# Altium PCB graviton.PcbDoc (part 12 of 15)
Units mm, origin at the board's own origin, x right, y up, seen from the top; angles counter-clockwise.
Board outline 200 x 200 mm, 10 copper layers (TOP, POLYGON1, S1, POLYGON2, POLYGON3, POLYGON4, POLYGON5, S2, POLYGON6, BOT), stack 1.751 mm thick; 1317 components, 712 nets, 5121 pads, 3994 vias.
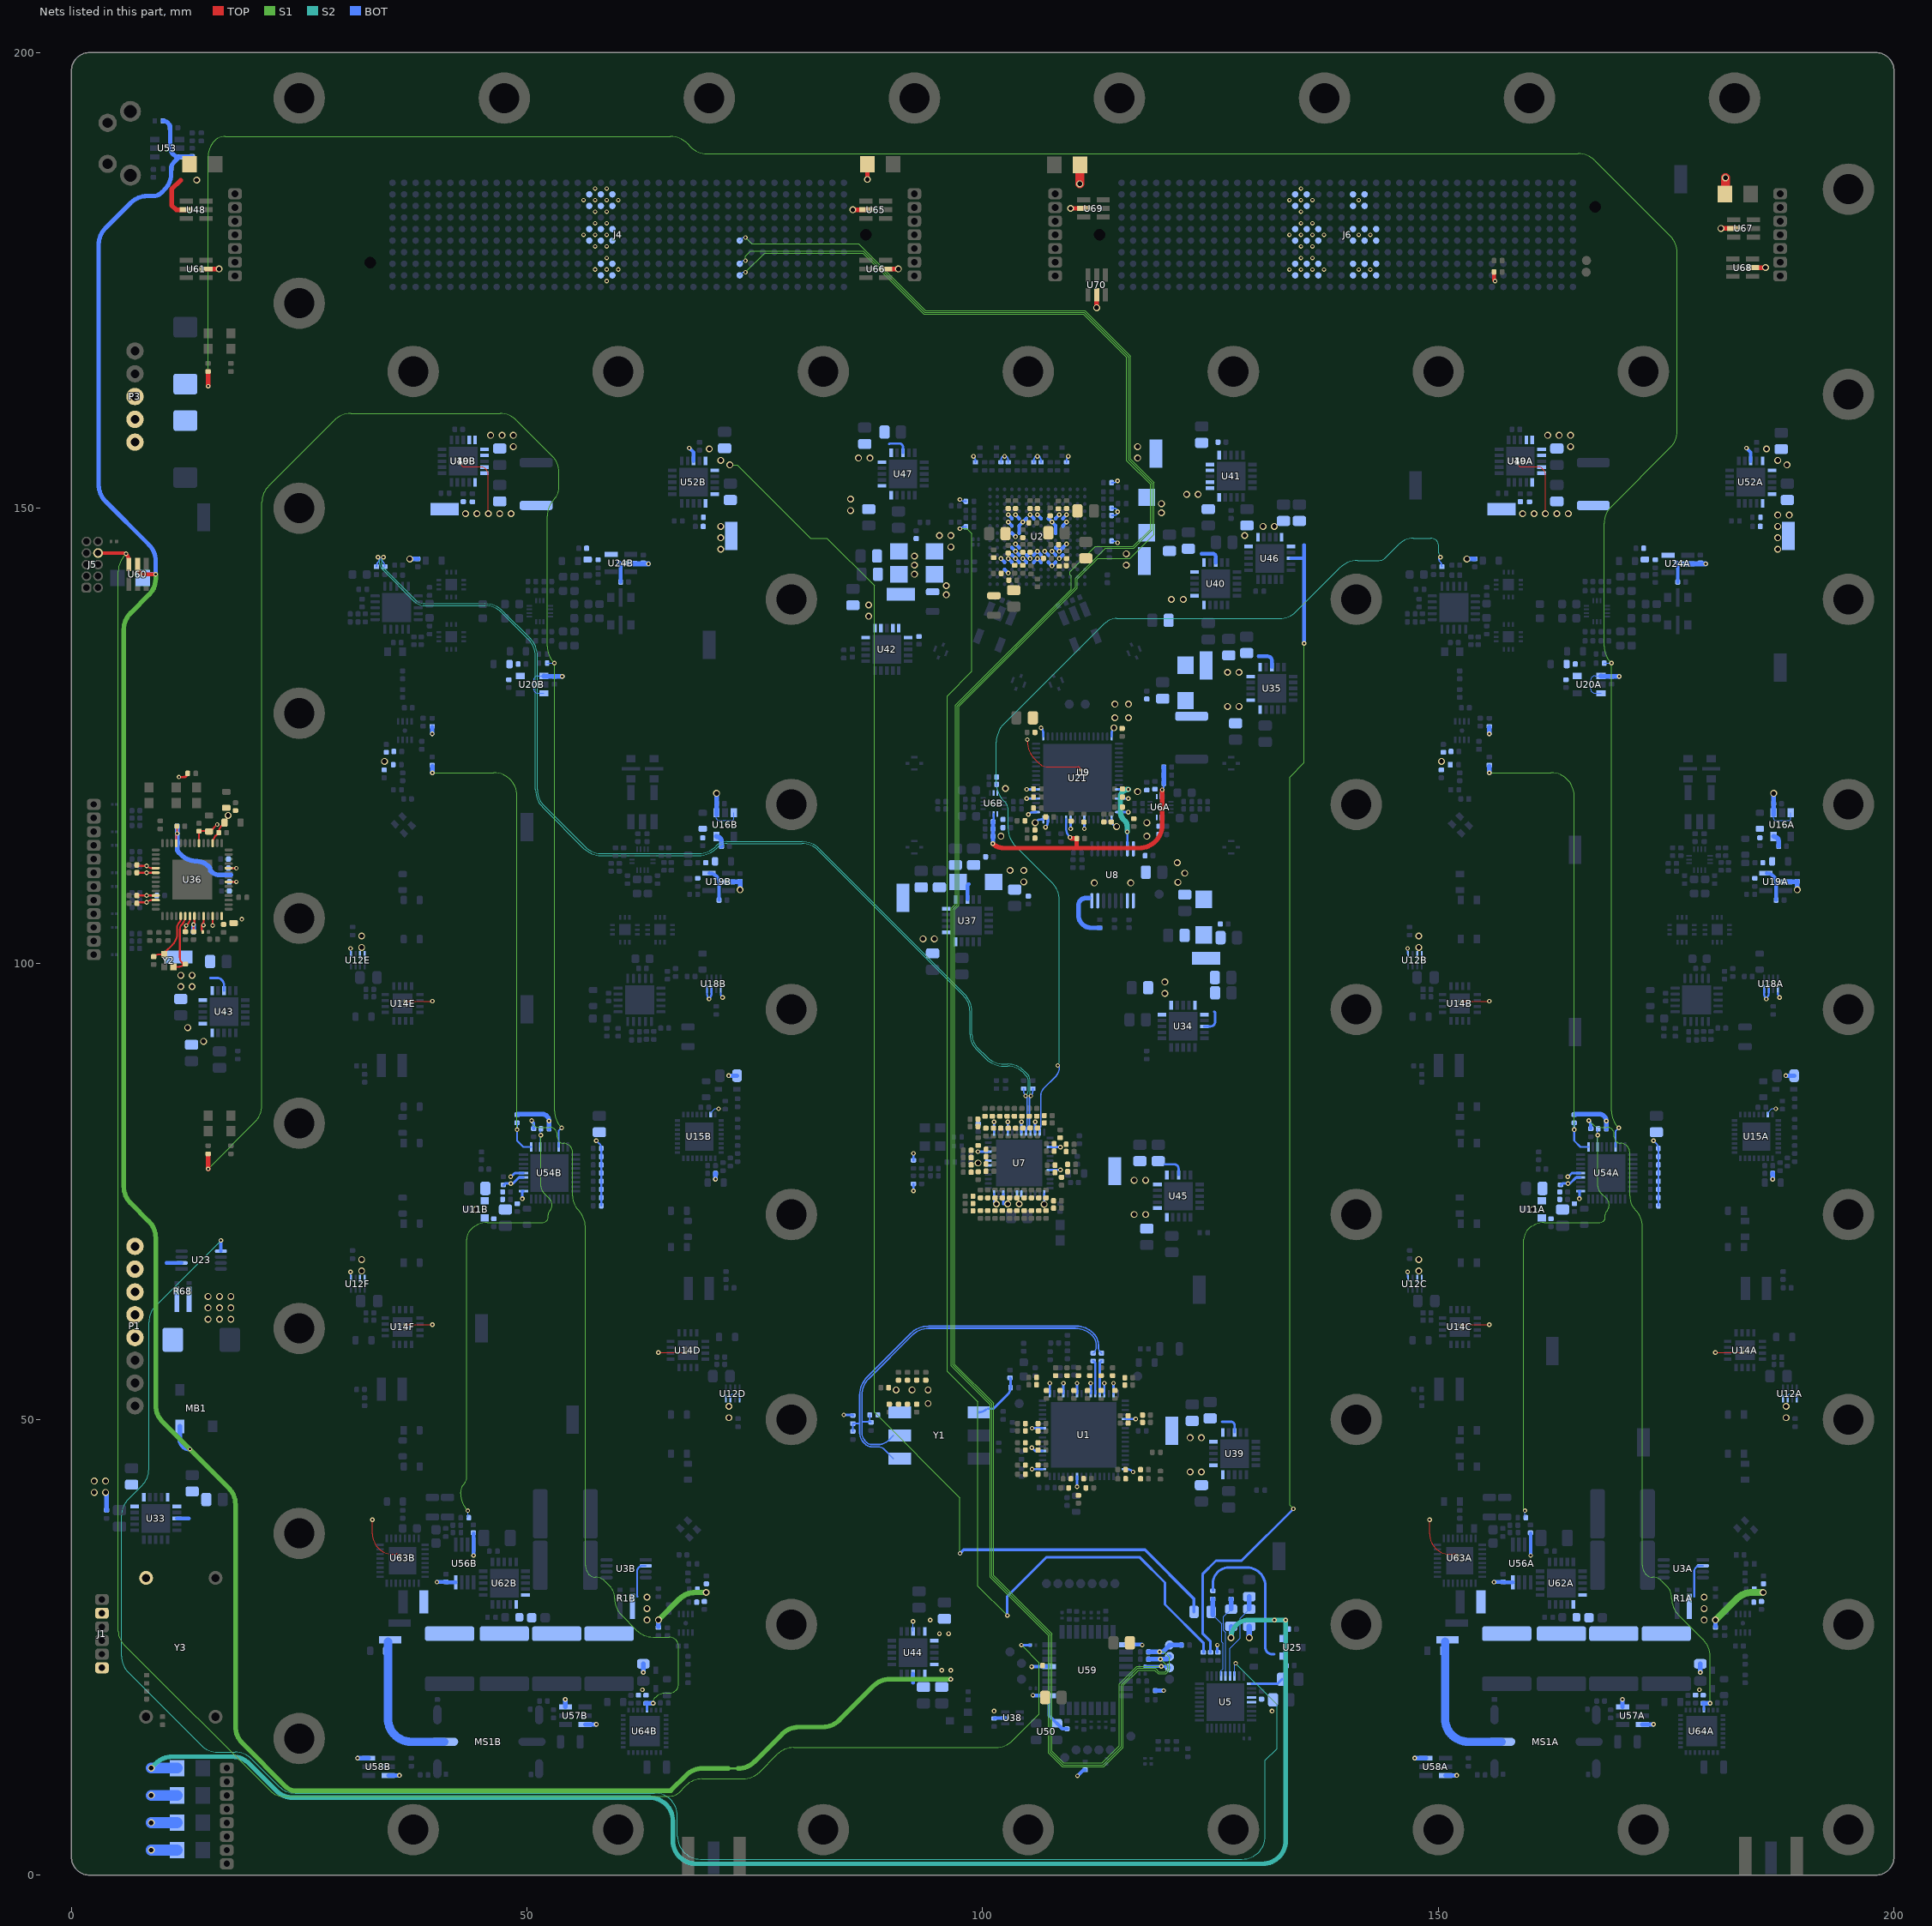
[diagram p20: the nets of this part, all layers, seen from the top]

## Via types
v1: diameter 0.75, hole 0.5, TOP to BOT, tented both sides, 2608 vias
v2: diameter 0.508, hole 0.254, TOP to BOT, tented both sides, 628 vias
v3: diameter 0.483, hole 0.254, TOP to BOT, tented both sides, 455 vias
v4: diameter 0.5, hole 0.3, TOP to BOT, tented both sides, 169 vias
v5: diameter 0.635, hole 0.254, TOP to BOT, tented both sides, 86 vias
v6: diameter 0.5, hole 0.254, TOP to BOT, tented both sides, 48 vias

## Nets (pads, with @x,y where several pads share a name; then routed paths per layer and width w, separated by ;. In a path a pad name is that pad's centre, name@x,y a point inside that pad or via, vN(x,y) a via of type N, cw(c..) or ccw(c..) an arc to the next point about the centre after c; other vN are vias at no path point) (continued)
TX-LO-A.C_2_P: C375A.2 U7.47 | length 107.2
  S2 w0.089: 150.034,145.944 150.034,145.095 ccw(c150.663,145.095) v2@150.218,144.65
  S2 w0.098: v3(108.238,88.85) ccw(c107.805,89.283) 108.417,89.283 108.417,107.03 ccw(c105.877,107.03) 107.674,108.826 103.594,112.906 cw(c105.54,114.853) 102.787,114.853 102.787,116.865 ccw(c101.465,116.865) 102.4,117.8 102.294,117.906 cw(c104.24,119.853) 101.487,119.853 101.487,124.348 cw(c104.24,124.348) 102.294,126.294 113.3,137.3 cw(c114.717,135.883) 114.717,137.888 132.561,137.888 ccw(c132.561,140.428) 134.357,138.632 139.181,143.456 cw(c141.128,141.51) 141.128,144.263 143.475,144.263 ccw(c143.475,145.319) 144.222,144.572 145.725,146.075 cw(c147.265,144.535) 147.265,146.713 149.144,146.713 cw(c149.144,145.813) 150.034,145.944 cw(c149.144,145.813) 150.044,145.813
  BOT w0.159: U7.47@106.25,81.531 106.25,81.812 cw(c106.681,81.812) 106.376,82.117 106.376,85.533 cw(c107.567,85.533) 106.725,86.375 108.011,87.661 ccw(c107.073,88.6) 108.4,88.6 ccw(c108.187,88.6) 108.338,88.75 v3(108.238,88.85) ; v2@150.218,144.65 ccw(c150.218,144.44) 150.07,144.589 150.056,144.575 150.056,144.386 ccw(c150.352,144.386) 150.143,144.176 cw(c149.547,143.58) C375A.2@150.39,143.58
  other v2: 150.231,144.637
TX-LO-B.C_2_N: C209B.2 R54.2 U7.44 | length 116
  S2 w0.098: v2(33.634,144.637) cw(c33.17,144.174) 33.826,144.174 33.826,143.9 ccw(c34.616,143.9) 34.057,143.342 37.6,139.799 ccw(c38.775,140.975) 38.775,139.312 45.386,139.312 cw(c45.386,136.772) 47.182,138.568 50.181,135.569 cw(c48.385,133.773) 50.925,133.773 50.925,119.115 ccw(c53.678,119.115) 51.731,117.169 56.244,112.656 ccw(c58.1,114.512) 58.1,111.887 68.848,111.887 ccw(c68.848,114.64) 70.794,112.694 70.85,112.75 cw(c71.938,111.662) 71.938,113.2 80.148,113.2 cw(c80.148,110.66) 81.944,112.456 97.856,96.544 cw(c96.06,94.748) 98.6,94.748 98.6,92.25 ccw(c100.775,92.25) 99.237,90.712 100.356,89.594 ccw(c102.302,91.54) 102.302,88.787 102.75,88.787 cw(c102.75,86.463) 104.393,88.107 104.75,87.75 cw(c104.146,87.146) 105,87.146 105,86.19 cw(c104.024,86.19) v3(104.714,85.5)
  BOT w0.159: C209B.2@33.475,143.58 cw(c34.318,143.58) 33.722,144.176 ccw(c33.513,144.386) 33.809,144.386 33.809,144.575 33.795,144.589 ccw(c33.647,144.44) v2@33.647,144.65 ; R54.2@104.5,86.305 104.5,86.017 ccw(c105.232,86.017) v3(104.714,85.5) 104.814,85.4 cw(c104.664,85.25) 104.876,85.25 104.876,82.117 ccw(c105.181,81.812) 104.75,81.812 U7.44@104.75,81.531
TX-LO-B.C_2_P: C375B.2 R53.2 U7.45 | length 116
  S2 w0.098: v2(34.231,144.637) ccw(c34.695,144.174) 34.039,144.174 34.039,143.9 ccw(c34.616,143.9) 34.208,143.492 37.75,139.95 ; 37.751,139.949 ccw(c38.775,140.975) 38.775,139.525 45.386,139.525 cw(c45.386,136.772) 47.332,138.719 50.331,135.719 cw(c48.385,133.773) 51.138,133.773 51.138,119.115 ccw(c53.678,119.115) 51.882,117.319 56.394,112.807 ccw(c58.1,114.512) 58.1,112.1 68.848,112.1 ccw(c68.848,114.64) 70.644,112.844 70.7,112.9 cw(c71.938,111.662) 71.938,113.413 80.148,113.413 cw(c80.148,110.66) 82.094,112.606 98.006,96.694 cw(c96.06,94.748) 98.813,94.748 98.813,92.25 ccw(c100.775,92.25) 99.387,90.863 100.506,89.744 ccw(c102.302,91.54) 102.302,89 102.75,89 cw(c102.75,86.463) 104.544,88.257 104.9,87.9 cw(c104.146,87.146) 105.213,87.146 105.213,85.676 ccw(c105.462,85.676) v3(105.286,85.5)
  BOT w0.159: v2@34.218,144.65 ccw(c34.218,144.44) 34.07,144.589 34.056,144.575 34.056,144.386 ccw(c34.352,144.386) 34.143,144.176 cw(c33.547,143.58) C375B.2@34.39,143.58 ; U7.45@105.25,81.531 105.25,81.812 ccw(c104.819,81.812) 105.124,82.117 105.124,85.25 cw(c105.336,85.25) 105.186,85.4 v3(105.286,85.5) ccw(c104.769,86.017) 105.5,86.017 R53.2@105.5,86.305
TX-OUTA: C202A.2 L18A.2 MS1A.1 | length 16.1
  BOT w0.914: L18A.2@150.735,25.625 150.735,17.178 ccw(c153.275,17.178) 153.275,14.638 MS1A.1@156.941,14.638
TX-OUTB: C202B.2 L18B.2 MS1B.1 | length 16.1
  BOT w0.914: L18B.2@34.735,25.625 34.735,17.178 ccw(c37.275,17.178) 37.275,14.638 MS1B.1@40.941,14.638
TX_ENA: R116A.2 R187A.2 U54A.16 | length 297.2
  TOP w0.51: v3(15,163.39) R187A.2@15,165
  S1 w0.1: v3(15,163.39) 15,188.61 cw(c17.39,188.61) 15.7,190.3 cw(c16.907,189.093) 16.907,190.8 65.748,190.8 cw(c65.748,188.26) 67.544,190.056 67.956,189.644 ccw(c69.752,191.44) 69.752,188.9 165.348,188.9 cw(c165.348,186.36) 167.144,188.156 175.456,179.844 cw(c173.66,178.048) 176.2,178.048 176.2,158.452 cw(c173.66,158.452) 175.456,156.656 168.944,150.144 ccw(c170.74,148.348) 168.2,148.348 168.2,134.852 ccw(c170.74,134.852) 168.944,133.056 v2(169,133) 169,83.852 ccw(c171.54,83.852) 169.744,82.056 v2(169.8,82)
  BOT w0.1: R116A.2@168.195,133 v2(169,133)
  BOT w0.2: U54A.16@169.46,79.91 169.46,81.66 v2@169.65,81.85
TX_ENB: R116B.2 R187B.2 U54B.16 | length 192.8
  TOP w0.51: v3(15,77.5) R187B.2@15,79.11
  S1 w0.1: v3(15,77.5) 20.156,82.656 ccw(c18.36,84.452) 20.9,84.452 20.9,150.648 cw(c23.44,150.648) 21.644,152.444 28.856,159.656 cw(c30.652,157.86) 30.652,160.4 47.048,160.4 cw(c47.048,157.86) 48.844,159.656 52.756,155.744 cw(c50.96,153.948) 53.5,153.948 53.5,152.286 cw(c51.602,152.286) 52.944,150.944 ccw(c54.74,149.148) 52.2,149.148 52.2,134.852 ccw(c54.74,134.852) 52.944,133.056 v2(53,133) 53,83.852 ccw(c55.54,83.852) 53.744,82.056 v2(53.8,82)
  BOT w0.1: R116B.2@52.195,133 v2(53,133)
  BOT w0.2: U54B.16@53.46,79.91 53.46,81.66 v2@53.65,81.85
TX_LNA_DISA: R92A.2 R127B.1 U54A.10 | length 52.1
  S1 w0.1: v2(155.6,120.972) 162.36,120.972 cw(c162.36,118.432) 164.9,118.432 v2(164.9,81.8)
  BOT w0.1: R127B.1@155.45,121.805 R127B.1@155.6,121.655
  BOT w0.2: R92A.2@165,82.555 ccw(c165,82.455) 164.9,82.455 v2(164.9,81.8) 164.9,80.6 165.59,79.91 U54A.10@166.46,79.91
  BOT w0.51: v2(155.6,120.972) R127B.1@155.6,121.655
TX_LNA_DISB: R92B.2 R127D.1 U54B.10 | length 52.1
  S1 w0.1: v2(39.6,120.972) 46.36,120.972 cw(c46.36,118.432) 48.9,118.432 v2(48.9,81.8)
  BOT w0.1: R127D.1@39.45,121.805 R127D.1@39.6,121.655
  BOT w0.2: R92B.2@49,82.555 ccw(c49,82.455) 48.9,82.455 v2(48.9,81.8) 48.9,80.6 49.59,79.91 U54B.10@50.46,79.91
  BOT w0.51: v2(39.6,120.972) R127D.1@39.6,121.655
TX_SWA: R15A.1 R47A.2 U64A.13 | length 72.9
  S1 w0.098: v2(166.5,82.8) 166.753,82.547 ccw(c167.9,83.694) 167.9,82.072 168.479,82.072 cw(c168.479,81.229) 169.075,81.825 cw(c168.532,81.282) 169.3,81.282 169.3,81 ccw(c170,81) 170,80.3 cw(c170,79.3) 171,79.3 171,74.511 ccw(c173.198,74.511) 171.644,72.956 cw(c169.848,71.16) 172.388,71.16 172.388,34 ccw(c173.807,34) 172.803,32.997 172.817,32.983 ccw(c173.5,33.666) 173.5,32.7 cw(c173.5,31.275) 174.508,32.283 175.078,31.713 cw(c173.817,30.452) 175.6,30.452 175.6,30.352 ccw(c178.14,30.352) 176.344,28.556 179.081,25.819 cw(c177.285,24.023) 179.106,25.794 cw(c177.285,24.023) 179.825,24.023 v2(179.825,18.855)
  BOT w0.29: R15A.1@179.05,18.855 179.15,18.755 U64A.13@179.15,18.128 U64A.13@179.15,18.118
  BOT w0.356: v2(166.5,82.8) cw(c165.957,82.257) 166.725,82.257 R47A.2@166.725,81.92
  BOT w0.51: R15A.1@179.05,18.855 v2(179.825,18.855)
TX_SWB: R15B.1 R47B.2 U64B.13 | length 78
  S1 w0.098: v2(50.5,82.8) ccw(c51.228,82.8) 51.228,82.072 52.479,82.072 cw(c52.479,81.229) 53.075,81.825 cw(c52.532,81.282) 53.3,81.282 53.3,81 ccw(c54,81) 54,80.3 cw(c54,79.3) 55,79.3 55,74.511 ccw(c57.198,74.511) 55.644,72.956 cw(c53.848,71.16) 56.388,71.16 56.388,34 ccw(c57.807,34) 56.803,32.997 56.817,32.983 ccw(c57.5,33.666) 57.5,32.7 cw(c57.5,31.275) 58.508,32.283 59.078,31.713 cw(c57.817,30.452) 59.6,30.452 59.6,30.352 ccw(c62.14,30.352) 60.344,28.556 62.031,26.869 ccw(c63.827,28.665) 63.827,26.125 65.6,26.125 cw(c65.6,25.1) 66.625,25.1 66.625,20.975 cw(c65.625,20.975) 65.625,19.975 65.267,19.975 ccw(c65.267,18.183) 64,19.45 ccw(c64.422,19.028) 63.825,19.028 v2(63.825,18.855)
  BOT w0.29: R15B.1@63.05,18.855 63.15,18.755 U64B.13@63.15,18.118
  BOT w0.356: v2(50.5,82.8) cw(c49.957,82.257) 50.725,82.257 R47B.2@50.725,81.92
  BOT w0.51: R15B.1@63.05,18.855 v2(63.825,18.855)
USART2_TX_2: J5.8 SL7.2 U60.6 | length 244.2
  TOP w0.4: J5.8@2.92,145.08 5.557,145.08 cw(c5.557,144.337) 6.3,144.337 U60.6@6.3,143.825
  S1 w0.095: 5.737,25.322 21.809,9.25 ccw(c23.216,10.657) 23.216,8.667 65.656,8.667 ccw(c65.656,10.144) 66.7,9.1 67.423,9.823 cw(c69.219,8.027) 69.219,10.567 73.715,10.567 ccw(c73.715,13.107) 75.511,11.311 77.456,13.256 cw(c79.252,11.46) 79.252,14 101.448,14 ccw(c101.448,16.54) 103.244,14.744 106.202,17.702 106.202,23.298 v3(104.25,25.25) ; 5.736,25.323 cw(c7.164,26.75) 5.145,26.75 5.145,143.093 cw(c7.685,143.093) 5.889,144.889 v2(6,145)
  BOT w0.28: v3(104.25,25.25) SL7.2@105.215,25.25
USART-CS.CLK_2: J4.302 R242.1 R245.2 TP39.1 | length 247.7
  S1 w0.098: v3(73.97,175.898) 76.072,178 86.832,178 93.534,171.298 111.034,171.298 115.798,166.534 115.798,155.219 118.398,152.619 118.398,147.698 116.497,145.797 112.357,145.797 109.597,143.037 109.597,142.703 109.7,142.6 109.7,141.1 96.998,128.398 96.998,106.567 96.53,106.098 96.53,55.887 100.8,51.617 100.8,32.7 107.2,26.3 107.2,13.417 108.717,11.9 113.283,11.9 115.4,14.017 115.4,20.817 117.083,22.5 118.852,22.5 119.252,22.1 120.1,22.1 120.5,22.5 120.5,23.9 119.9,24.5 v2(119.4,24.5)
  BOT w0.102: J4.302@73.335,175.555 73.678,175.898 v3(73.97,175.898)
  BOT w0.51: R242.1@118.195,24.5 v2(119.4,24.5) 119.75,24.5 TP39.1@120.5,25.25 R245.2@121.805,25.25
USART-CS.RX_2: J4.305 SL15.2 TP41.1 | length 241.8
  S1 w0.102: v3(73.97,179.708) 74.678,179 86.4,179 93.7,171.7 111.2,171.7 116.2,166.7 116.2,155.4 118.8,152.8 118.8,147.1 116.174,144.474 112.632,144.474 110.395,142.238 110.395,141.227 97.4,128.232 97.4,106.4 96.932,105.932 96.932,56.054 101.202,51.783 101.202,32.866 107.602,26.466 107.602,13.583 108.883,12.302 113.117,12.302 114.998,14.184 114.998,20.984 116.917,22.902 119.598,22.902 v2(119.6,22.9)
  BOT w0.102: J4.305@73.335,179.365 73.678,179.708 v3(73.97,179.708)
  BOT w0.356: SL15.2@117.82,22.9 v2(119.6,22.9) 120.35,22.9 TP41.1@120.5,22.75
USART-CS.TX_2: J4.303 R58.1 TP40.1 | length 243.8
  S1 w0.102: v3(73.97,177.168) 73.97,177.67 74.5,178.2 86.915,178.2 93.616,171.498 111.116,171.498 115.998,166.616 115.998,155.302 118.598,152.702 118.598,147.616 116.58,145.597 113.469,145.597 110.194,142.321 110.194,141.311 97.198,128.316 97.198,106.484 96.73,106.015 96.73,55.97 101,51.7 101,32.783 107.4,26.383 107.4,13.5 108.8,12.1 113.2,12.1 115.2,14.1 115.2,20.9 117,22.7 118.935,22.7 119.335,22.3 120.017,22.3 120.3,22.583 120.3,22.9 v2(119.5,23.7)
  BOT w0.102: J4.303@73.335,176.825 73.678,177.168 v3(73.97,177.168)
  BOT w0.51: R58.1@118.195,23.7 v2(119.5,23.7) 120.2,23.7 TP40.1@120.5,24
V1-ETH: C539.2 C540.2 C541.2 C542.2 U36.6 U36.40 U36.42 | length 4.7
  TOP w0.2: U36.6@14,113.25 C542.2@14,114.57 14.991,114.57 cw(c14.991,114.416) C540.2@15.1,114.525 ccw(c15.1,114.827) 15.313,114.613 v3(16,115.3) ; v2(15.5,104.2) U36.40@15.5,105.25
  other v2: 18.7,104.9
V1V2-A-DAC: C282.1 C283.1 C416.1 C419.2 L16.1 L19.1 TP24.1 U42.1 U42.19 U42.20
  other v1: 92.5,142.75 92.5,143.75 92.5,144.75
V1V2-A-DAC-CLK_29: C288.2 C289.2 C290.2 C291.2 C292.2 L19.2 U2.C12 | length 0.6
  BOT w0.4: U2.C12@102.4,143.27 v2(102.8,142.87)
  other v1: 96,140.5 96,141.5
V1V2-A-DAC-DAC_29: C284.1 C285.1 C286.1 C287.1 L16.2 U2.D7 U2.D9 U2.E9 U2.E10 U2.F10 U2.G10 U2.H10 U2.J10 U2.K9 U2.K10 U2.L9 | length 6.8
  BOT w0.4: U2.D9@103.2,145.67 U2.E10@104,144.87 ; U2.D7@103.2,147.27 v2(103.6,146.87) ; v2(103.6,146.07) U2.E9@104,145.67 ; U2.F10@104.8,144.87 v2(105.2,144.47) ; U2.G10@105.6,144.87 v2(106,145.27) U2.H10@106.4,144.87 ; v2(106.8,145.27) U2.J10@107.2,144.87 ; v2(107.6,145.27) U2.K10@108,144.87 ; U2.K9@108,145.67 v2(108.4,145.27) U2.L9@108.8,145.67 v2(109.2,146.07)
  other v1: 96.5,145.75 95.25,147 96.5,147
  other v2: 103.6,145.27
V1V2-D-DAC: C277.1 C278.1 C279.1 C280.1 C281.1 C412.1 C415.2 TP23.1 U2.E5 U2.E6 U2.E7 U2.F5 U2.J5 U2.K5 U2.K6 U2.K7 U41.1 U41.19 U41.20 | length 5
  BOT w0.4: v2(103.6,149.27) U2.E5@104,148.87 ; U2.E7@104,147.27 U2.E6@104,148.07 U2.F5@104.8,148.87 ; U2.J5@107.2,148.87 U2.K6@108,148.07 U2.K7@108,147.27 ; U2.K5@108,148.87 v2(108.4,149.27)
  other v1: 117,155.5 117,156.75
  other v2: 104.4,148.47 107.6,148.47
V1V8: C434.2 C435.2 F4.2 F5.2 J6.175 J6.176 J6.178 J6.179 J6.182 J6.183 J6.185 J6.186 J6.188 J6.189 J6.192 J6.193 J6.195 J6.196 J6.198 J6.199 R77.2 R104.2 U46.1 U46.3 U46.20 U67.5 U68.5 U69.5 U70.5 | length 139.8
  TOP w0.457: R104.2@156.105,175.925 156.105,175.033 v3(156.218,174.92)
  TOP w0.51: v1(109.65,182.9) U69.5@111.075,182.9 ; v1(112.5,172) U70.5@112.5,173.425 ; v1(181,180.7) U67.5@182.425,180.7 ; U68.5@184.475,176.4 v1(185.9,176.4)
  TOP w1: v1(110.65,185.6) F5.2@110.65,187.25 ; F4.2@181.5,184.825 v1(181.5,186.25)
  S1 w0.1: v2(134.1,40.2) 133.7,40.6 133.7,120.5 135.275,122.075 v2(135.275,135.175)
  BOT w0.28: R77.2@125,24.445 125,25.65 124.119,26.531 124.119,33.019 125.6,34.5 128.4,34.5 v2(134.1,40.2)
  BOT w0.4: U46.3@133.825,144.5 135.275,144.5 ; v2(135.275,135.175) 135.275,144.5 ; 135.275,145.975 135.275,144.5
  other v1: 130.75,148 132,148
  other v3: 141.27,176.19 142.54,176.19 141.27,180 142.54,180 141.27,183.81
V1V8-A-ADC: C229.1 C230.1 C231.1 C398.2 C399.2 L9.1 TP20.1 U37.1 U37.3 U37.20 | length 1.8
  BOT w0.4: U37.3@98.325,107.075 98.325,108.575 cw(c98.5,108.575) 98.5,108.75
V1V8-AVDD_23: C232.1 C233.1 C234.1 C235.1 C236.1 C237.1 C238.1 C239.1 C240.1 C241.1 C242.1 C243.1 L9.2 U21.13 U21.16 U21.23 U21.26 U21.31 U21.33 U21.36 U21.38 | length 8
  BOT w0.25: v2(104.821,118.15) U21.36@105.85,118.15 ; v2(104.821,119.15) U21.38@105.85,119.15 ; v2(105,116.4) cw(c105.604,115.796) 105.604,116.65 U21.33@105.85,116.65 ; v2(106.9,115) ccw(c106.296,115.604) 107.15,115.604 U21.31@107.15,115.85 ; v2(109.65,114.821) U21.26@109.65,115.85 ; v2(111.15,114.821) U21.23@111.15,115.85 ; U21.16@114.95,116.65 v2(115.979,116.65) ; U21.13@114.95,118.15 v2(115.979,118.15)
  other v1: 104.5,109 103,110.25 104.5,110.25
V1V8-D-ADC: C394.2 C395.2 L7.1 TP19.1 U35.1 U35.3 U35.20 | length 2.5
  BOT w0.4: 130.25,133.75 131.25,133.75 cw(c131.25,133.257) 131.743,133.257 U35.3@131.743,132.559
  other v1: 126.872,132.001 128.122,132.001
V1V8-D-ADC-FILT: C214.2 C215.1 C216.1 C217.1 C218.1 C219.1 C220.1 L7.2 U8.15 U21.11 U21.49 U21.64 | length 10.3
  S2 w0.6: v3(115.85,114.5) 115.85,115.096 ccw(c114.996,115.096) 115.6,115.7 115.454,115.846 cw(c116.307,116.7) 115.1,116.7 115.1,118.271 cw(c115.979,118.271) v2(115.979,119.15)
  BOT w0.25: v2(106.4,125.9) cw(c105.796,125.296) 106.65,125.296 U21.49@106.65,124.95 ; U21.64@114.15,124.95 114.15,125.296 cw(c115.004,125.296) v1(114.4,125.9) ; U21.11@114.95,119.15 v2(115.979,119.15) ; v3(115.85,114.5) 115.875,114.475 U8.15@115.875,112.625
  other v1: 114.5,127 116,127 114.5,128.5 116,128.5
V1V8-ETH: C532.2 C533.2 C534.2 C535.2 C536.2 C537.2 C538.2 SL6.1 U36.3 U36.19 U36.26 U36.35 U36.38 | length 10.7
  TOP w0.2: C538.2@7.18,106.75 v3(8.25,106.75) cw(c8.854,106.146) 8.854,107 U36.26@9.25,107 ; C537.2@7.18,110.75 v3(8.25,110.75) ccw(c8.854,111.354) 8.854,110.5 U36.19@9.25,110.5 ; C535.2@12.5,103.53 12.5,103.959 cw(c12.841,103.959) v3(12.6,104.2) 12.8,104.4 ccw(c12.317,104.883) 13,104.883 U36.35@13,105.25 ; SL6.1@14.415,103.5 cw(c14.693,103.778) 14.3,103.778 14.3,104.159 cw(c14.641,104.159) 14.4,104.4 ccw(c14.159,104.641) 14.5,104.641 U36.38@14.5,105.25 ; U36.3@15.5,113.25 cw(c16.659,113.25) 15.839,114.069 C534.2@16.17,114.4 cw(c17.305,114.4) 16.502,115.202 C532.2@16.8,115.5
  other v1: 17.2,116.3
  other v3: 14.5,104.25
V2V5: C438.2 C439.2 C612.2 C613.2 C614.2 C618.2 C619.2 C620.2 F2.2 F3.2 J4.175 J4.176 J4.178 J4.179 J4.182 J4.183 J4.185 J4.186 J4.188 J4.189 J4.192 J4.193 J4.195 J4.196 J4.198 J4.199 R78.2 R165.2 R203.1 R206.1 R209.1 R212.1 R215.1 R218.1 R221.1 R224.1 R227.1 R230.1 R233.1 R236.1 U36.11 U36.49 U36.52 U47.1 U47.3 U47.20 U48.5 U61.5 U65.5 U66.5 | length 191.4
  TOP w0.2: U36.11@11.5,113.25 11.5,114.059 cw(c11.841,114.059) v2(11.6,114.3) 11.6,115.028 ccw(c11.498,115.028) C614.2@11.57,115.1 ; U36.49@17.25,109 v3(18.1,109) ; U36.52@17.25,110.5 v3(18.1,110.5)
  TOP w0.5: v1(87.35,186.075) F3.2@87.35,187.75
  TOP w0.51: 12,186 11,185 11,183.25 11.5,182.75 U48.5@12.625,182.75 ; U61.5@14.775,176.25 v1(16.2,176.25) ; v1(85.75,182.75) U65.5@87.175,182.75 ; U66.5@89.325,176.25 v1(90.75,176.25)
  S1 w0.1: v2(97.5,147.759) 98.241,147.759 98.8,147.2 98.8,132.1 96.1,129.4 96.1,55.3 99.475,51.925 99.475,31.725 v3(102.7,28.5)
  BOT w0.178: v2(97.5,147.759) cw(c97.983,147.276) 97.983,147.959 R212.1@98.155,147.959 ; v2(97.5,150.959) ccw(c97.983,151.442) 97.983,150.759 R209.1@98.155,150.759 ; v2(99,155.7) cw(c98.517,155.217) 99.2,155.217 R215.1@99.2,155.045 ; R218.1@102,155.045 102,155.217 cw(c102.683,155.217) 102.2,155.7 v2(102.4,155.7) ; v2@102.6,155.7 cw(c102.117,155.217) 102.8,155.217 R203.1@102.8,155.045 ; R206.1@105.6,155.045 105.6,155.217 cw(c106.283,155.217) 105.8,155.7 v2(106,155.7) ; v2@106.2,155.7 cw(c105.717,155.217) 106.4,155.217 R227.1@106.4,155.045 ; R230.1@109.2,155.045 109.2,155.217 cw(c109.883,155.217) v2(109.4,155.7) ; R236.1@114.145,146.4 114.317,146.4 cw(c114.317,145.717) v2(114.8,146.2) ; R233.1@114.145,149.2 114.317,149.2 ccw(c114.317,149.883) v2@114.8,149.4 ; R224.1@114.145,150 114.317,150 cw(c114.317,149.317) 114.8,149.8 v2(114.8,149.6) ; R221.1@114.145,152.8 114.317,152.8 ccw(c114.317,153.483) v2(114.8,153)
  BOT w0.25: 89.75,157.05 cw(c89.8,157.05) 89.8,157.1 90.85,157.1 cw(c90.85,156.7) 91.25,156.7 U47.3@91.25,156.075
  BOT w0.28: v3(102.7,28.5) 102.7,30.6 107,34.9 117.2,34.9 120,32.1 120,29.7 124.25,25.45 R78.2@124.25,24.445
  BOT w0.51: C619.2@11.6,115.1 v2(11.6,114.3) R165.2@11.6,113.3 11.6,112.612 ccw(c12.112,112.612) 11.75,112.25 12.006,111.994 ccw(c13.802,113.79) 13.802,111.25 cw(c13.802,109.565) 14.993,110.757 15.073,110.677 cw(c14.646,110.25) 15.25,110.25 15.396,110.104 ccw(c16.25,110.957) 16.25,109.75 17.5,109.75